# KiCad board FetsAndCrosses.kicad_pcb (continued)
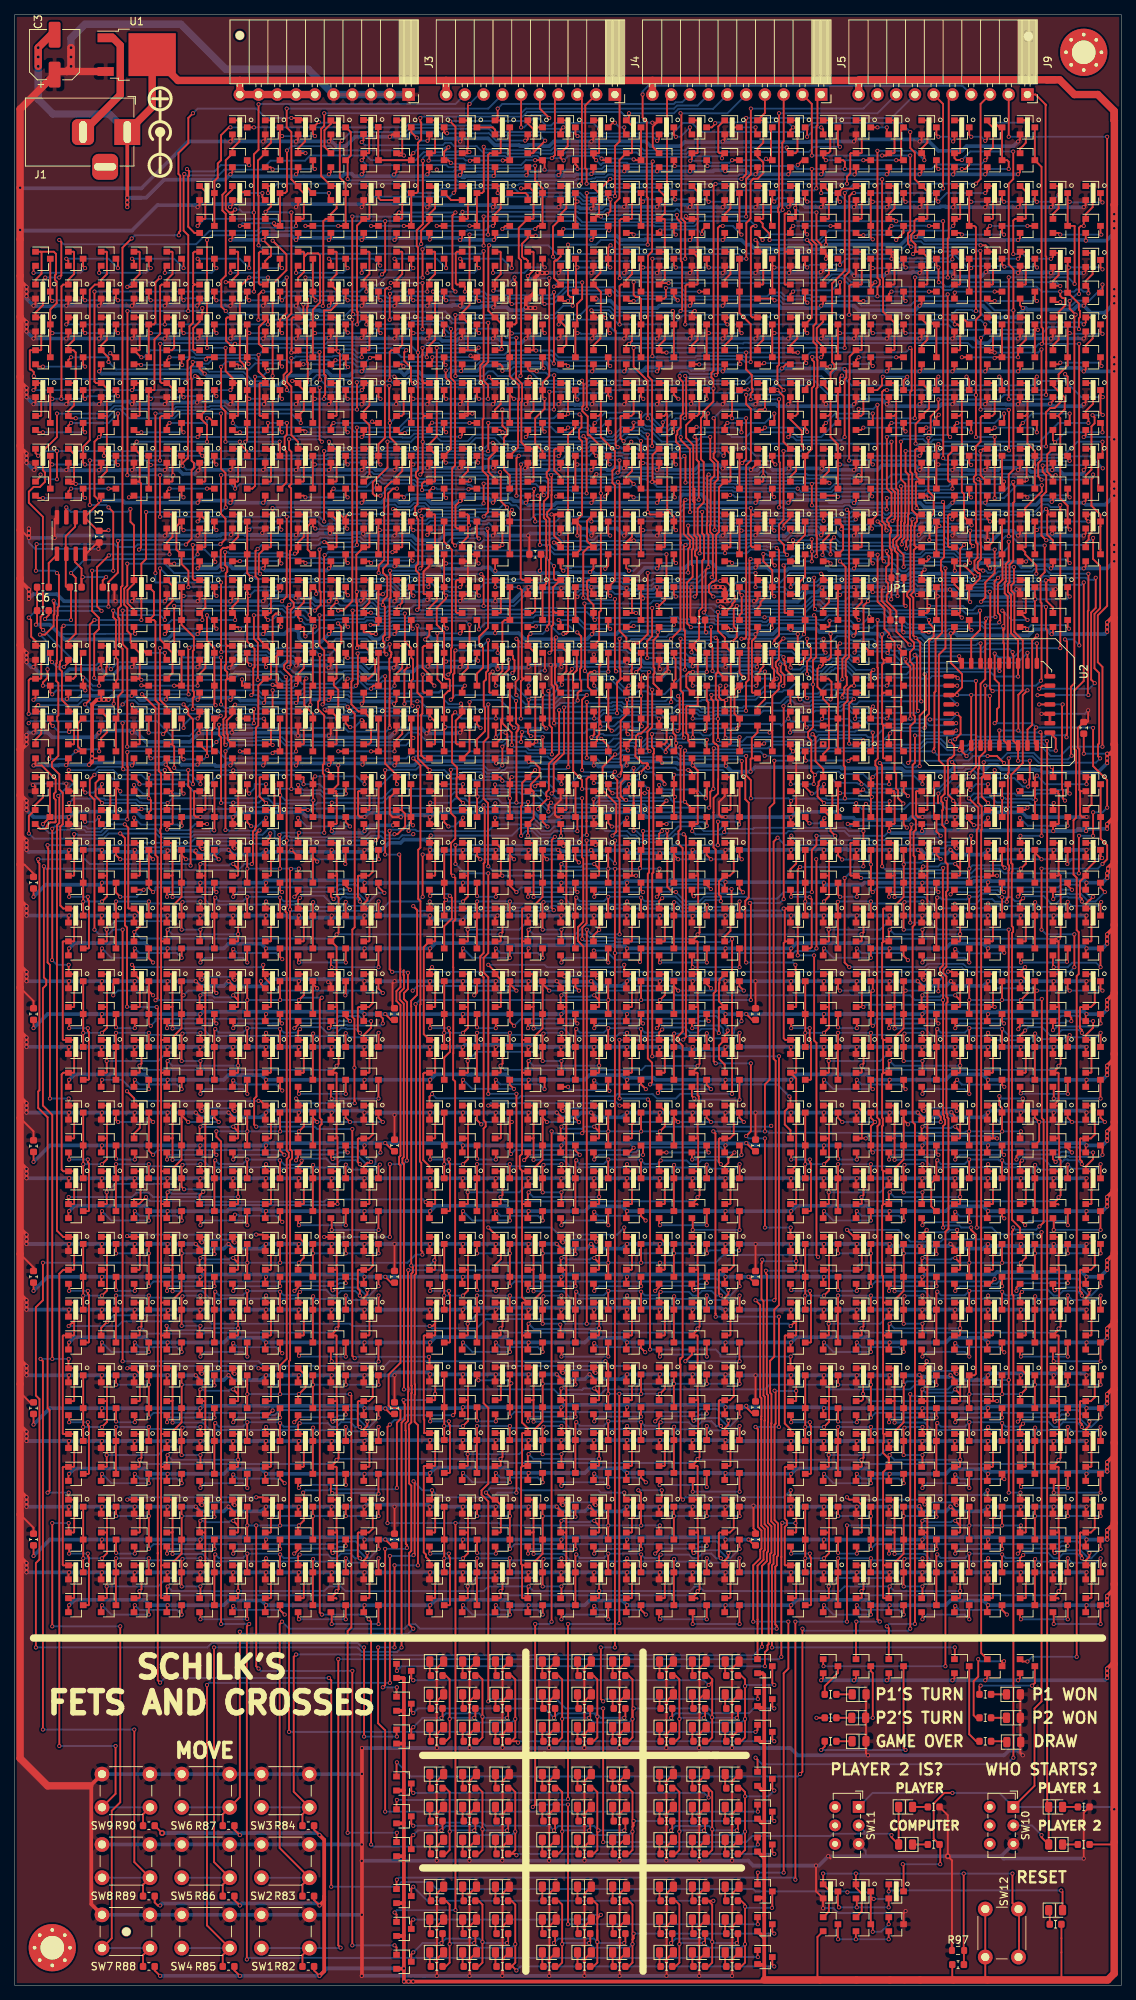
[diagram p0: board, top side]
## Routing (per net, layer and track width the routed paths; a pad name or vN(x,y) marks a point on that pad's centre or on a via; arc(x,y) is an arc through that point) (continued)
 v1(118.11,240.66) 118.38,240.94 Q612.2 ; v1(29.07,178.33) 29.07,178.33 29.48,178.74 Q844.2 ; Q570.2 47.26,205.38 v1(46.99,205.1) ; 66.04,33.65 v1(66.06,32.14) 66.03,32.1 ; v1(95.89,249.55) 96.16,249.82 Q520.2 ; v1(78.07,118.11) 78.08,118.11 78.38,117.81 Q1243.2 ; v1(73.76,196.45) 73.86,196.45 73.93,196.52 Q795.2 ; v1(135.67,188.95) 136.14,188.95 136.16,188.93 Q715.2 ; v1(64.82,227.1) 65.04,227.32 65.04,228.28 ; v1(122.55,213.99) 122.83,214.26 Q748.2 ; v1(47.37,153.67) 47.26,153.56 Q970.2 ; 57.17,3.2 57.17,12.42 D55.2 ; 57.15,18.41 57.15,18.75 D30.2 ; 57.15,18.41 57.15,22.22 ; 57.15,18.41 v1(57.15,16.86) ; v1(113.7,231.36) 113.94,231.6 Q629.2 ; Q1002.2 91.71,144.62 v1(91.82,144.73) ; 57.15,33.65 57.15,32.11 v1(57.16,32.1) ; 57.15,33.65 57.15,33.99 D3.2 ; 57.15,33.65 57.15,38.1 ; Q810.2 87.27,214.26 v1(87,213.99) ; Q666.2 91.71,240.94 v1(91.44,240.66) ; C15.1 v1(51.44,117.79) ; Q753.2 113.94,214.26 v1(113.67,213.99) ; v1(29.21,205.1) 29.48,205.38 Q440.2 ; 72.39,37.46 72.39,33.65 ; 72.39,33.65 v1(72.38,32.1) ; 72.39,33.65 72.39,33.99 D12.2 ; v1(13.65,187.32) 13.49,187.49 R107.2 ; v1(11.43,227.33) 11.7,227.6 11.7,228.28 ; v1(64.77,222.88) 65.04,223.15 Q553.2 ; 66.06,7.98 D62.2 ; 66.06,7.98 66.06,3.53 ; C11.1 2.54,97.15 0.73,98.97 ; C30.1 v1(100.33,135.89) ; v1(11.43,169.54) 11.7,169.81 Q871.2 ; v1(140.52,196.49) 140.6,196.58 Q770.2 ; v1(29.38,169.55) 29.48,169.65 Q850.2 ; v1(109.22,196.26) 109.23,196.26 109.49,196.52 Q739.2 ; Q865.2 11.7,178.49 v1(11.54,178.33) ; 57.15,22.22 57.15,27.64 D28.2 ; 57.15,22.22 57.15,23.19 D29.2 ; D74.2 88.27,7.95 ; v1(6.98,227.33) 7.25,227.6 7.25,228.28 ; U2.31 140.19,171.94 140.33,172.08 U2.32 v1(139.06,172.08) ; 25.04,228.28 25.04,227.63 24.75,227.35 v1(24.73,227.35) ; v1(2.54,169.54) 2.81,169.81 Q874.2 ; Q641.2 100.6,240.94 v1(100.33,240.66) ; v1(60.7,144.18) 60.59,144.07 Q985.2 ; v1(60.4,222.91) 60.59,223.11 Q564.2 ; v1(145.38,172.56) 145.38,171.09 145.25,170.97 C5.1 ; 9.45,193.52 11.2,195.27 C7.1 11.43,194.52 v1(11.32,194.42) ; D72.2 81.92,3.51 81.92,3.18 ; 88.27,38.1 88.25,42.86 D19.2 ; v1(65.41,178.12) 65.41,179.04 Q1065.2 ; Q446.2 25.04,223.15 v1(24.76,222.88) ; 97.16,22.86 97.16,27.64 D52.2 ; Q441.2 16.14,223.15 v1(15.88,222.88) ; v1(15.88,169.54) 16.14,169.81 Q862.2 ; Q754.2 127.27,214.26 v1(127,213.99) ; Q933.2 61.3,192.72 61.37,192.65 61.37,188.36 61.3,188.28 Q926.2 60.59,187.63 v1(60.33,187.36) ; Q662.2 87.27,240.99 v1(86.99,240.71) ; Q616.2 122.83,240.94 v1(122.55,240.66) ; Q901.2 38.37,188.08 v1(38.05,187.76) ; D78.2 92.71,3.51 ; Q571.2 51.7,205.38 v1(51.44,205.1) ; v1(51.44,169.54) 51.7,169.81 Q835.2 ; Q883.2 51.7,178.7 v1(51.33,178.33) ; Q925.2 56.15,169.81 v1(55.77,169.44) ; Q966.2 42.81,153.56 v1(42.93,153.67) ; Q548.2 69.48,214.26 v1(69.22,213.99) ; 29.5,161.38 Q377.2 30.2,161.61 30.27,161.53 30.27,157.24 30.2,157.16 29.5,157.16 29.5,158.02 v1(29.59,158.11) ; v1(64.77,240.66) 65.04,240.94 Q494.2 ; C9.1 v1(100.33,118.11) ; Q959.2 38.37,144.67 v1(38.48,144.78) ; v1(122.45,196.32) 122.83,196.7 Q727.2 ; Q10.2 20.59,91.18 v1(20.78,91.37) ; D37.2 72.38,27.62 72.39,22.22 ; v1(24.76,196.21) 25.04,196.48 Q916.2 ; v1(15.88,205.1) 16.14,205.38 Q453.2 ; Q373.2 100.62,178.54 v1(100.51,178.43) ; 88.27,22.22 88.25,27.62 D46.2 ; 88.27,22.22 88.27,18.41 ; v1(7.37,144.78) 7.27,144.69 Q1110.2 ; v1(38.1,240.66) 38.37,240.94 Q532.2 ; Q971.2 20.59,153.46 v1(20.7,153.57) ; 61.59,22.86 61.59,23.19 D32.2 ; 61.59,22.86 61.58,27.62 D31.2 ; 61.59,22.86 v1(61.58,16.86) ; 66.06,3.53 D63.2 ; v1(42.55,227.33) 42.81,227.6 42.81,228.28 ; Q811.2 100.6,214.26 v1(100.33,213.99) ; v1(34.04,153.67) 33.92,153.56 Q952.2 ; Q379.2 46.58,161.61 46.5,161.53 46.5,158.4 46.79,158.11 v1(47.37,158.11) ; Q1380.2 105.1,197.17 105.1,197.17 v1(105.1,196.78) ; v1(20.32,222.88) 20.59,223.15 Q442.2 ; v1(140.23,214.07) 140.6,214.44 Q755.2 ; v1(51.44,227.31) 51.7,227.57 51.7,228.28 ; C5.1 144.63,170.81 ; v1(29.59,144.78) 29.48,144.67 Q954.2 ; v1(52.28,158.11) 51.18,158.11 50.8,158.49 50.8,160.75 Q1.2 ; v1(104.78,213.99) 105.05,214.26 Q817.2 ; v1(122.55,249.55) 122.83,249.82 Q423.2 ; Q905.2 29.48,196.51 v1(29.28,196.31) ; v1(131.44,213.99) 131.72,214.26 Q760.2 ; v1(82.55,213.99) 82.82,214.26 Q804.2 ; v1(77.16,16.86) 77.15,16.87 77.15,21.59 ; Q718.2 140.6,188.93 140.62,188.95 v1(140.97,188.95) ; v1(42.52,222.98) 42.61,222.98 42.81,223.19 Q584.2 ; v1(95.89,240.66) 96.16,240.94 Q667.2 ; D51.2 92.71,18.75 ; 81.94,5.74 81.92,3.18 ; 81.94,5.74 81.94,5.36 ; v1(82.93,179.04) 82.84,179.13 Q1061.2 ; v1(122.18,188.15) 122.31,188.28 Q723.2 ; v1(6.98,213.99) 7.25,214.26 Q472.2 ; Q622.2 109.49,232.08 109.3,231.89 v1(109.17,231.89) ; v1(78.11,205.1) 78.38,205.38 Q802.2 ; v1(51.44,135.89) 51.16,135.62 51.16,132.51 C12.1 ; Q847.2 38.37,169.16 v1(38.34,169.13) ; v1(135.89,205.1) 136.16,205.38 Q719.2 136.16,206.06 136.16,206.02 135.89,205.75 ; v1(38.1,227.33) 38.37,227.6 38.37,228.28 ; Q120.2 122.83,100.03 122.81,100.05 v1(122.52,100.05) ; v1(6.98,205.1) 7.25,205.38 Q448.2 ; Q1106.2 11.72,153.57 v1(11.81,153.67) ; 72.39,22.22 72.39,23.19 D38.2 ; Q778.2 100.6,206.01 v1(99.7,205.1) ; v1(91.44,231.77) 91.71,232.04 Q696.2 ; 0.73,135.03 2.54,133.21 C10.1 ; 92.71,7.62 v1(92.71,1.27) ; 92.71,7.62 92.71,7.95 D77.2 ; 92.71,7.62 92.71,12.4 D76.2 ; v1(78.2,214.01) 78.38,214.19 Q815.2 ; Q454.2 20.59,205.38 v1(20.32,205.1) ; v1(74.04,189.1) 73.93,188.99 Q791.2 ; D33.2 61.59,18.75 ; v1(118.11,222.88) 118.38,223.15 Q832.2 ; Q427.2 136.16,249.82 v1(135.89,249.55) ; Q782.2 87,188.55 v1(87,189.23) ; 57.15,38.1 57.15,38.43 D2.2 ; v1(144.78,205.1) 145.05,205.38 Q765.2 ; v1(16.26,144.78) 16.14,144.67 Q944.2 ; v1(144.78,240.66) 145.05,240.94 Q654.2 ; v1(126.86,118.15) 127.27,117.73 Q1285.2 ; C24.1 118.59,186.17 117.42,187.35 117.42,188.89 v1(117.69,189.16) ; 77.15,21.59 77.15,23.19 D41.2 ; 77.15,21.59 77.15,27.64 D40.2 ; Q856.2 16.14,178.7 v1(15.88,178.44) ; Q828.2 113.94,223.15 v1(113.67,222.88) ; D35.2 66.04,23.19 ; Q937.2 65.04,196.48 v1(64.77,196.21) ; v1(91.59,214.05) 91.71,214.17 Q816.2 ; Q691.2 82.82,232.04 v1(82.55,231.77) ; C14.1 v1(51.44,82.55) ; D34.2 66.06,27.66 66.06,16.9 v1(66.03,16.86) ; v1(55.92,178.49) 56.15,178.72 Q932.2 ; v1(24.84,205.03) 25.04,205.23 Q458.2 ; C18.1 100.33,61.55 100.05,61.83 v1(100.05,64.92) ; v1(140.33,240.66) 140.6,240.94 Q651.2 ; Q560.2 56.15,223.15 v1(55.88,222.88) ; v1(122.34,153.67) 122.83,153.18 Q1058.2 ; Q1117.2 78.38,135.59 v1(78.07,135.89) ; v1(60.33,249.55) 60.59,249.82 Q536.2 ; 0.73,63.73 2.54,61.91 C20.1 ; v1(108.52,16.19) 108.52,12.72 Q1391.2 109.49,11.32 109.47,11.3 v1(109.47,10.41) ; v1(42.55,205.1) 42.81,205.38 Q566.2 ; v1(51.44,222.88) 51.7,223.15 Q559.2 ; v1(87.38,178.14) 87.28,178.24 Q1063.2 87.38,179.29 87.38,179.04 ; v1(11.81,144.78) 11.7,144.67 Q943.2 ; v1(82.5,205.34) 82.75,205.34 82.82,205.41 Q787.2 ; D56.2 57.15,7.95 ; v1(73.74,205.22) 73.93,205.41 Q799.2 ; Q547.2 65.04,214.26 v1(64.77,213.99) ; Q706.2 78.38,240.75 v1(78.09,240.47) ; Q900.2 42.81,196.69 v1(42.66,196.54) ; v1(109.22,222.88) 109.49,223.15 Q827.2 ; v1(104.87,231.77) 105.05,231.95 Q618.2 ; Q767.2 136.16,196.48 v1(135.89,196.21) ; C16.1 v1(51.44,100.33) ; v1(96.2,187.32) 96.69,187.32 96.76,187.4 ; Q697.2 96.16,232.04 v1(95.89,231.77) ; Q674.2 29.48,249.82 v1(29.21,249.55) ; 29.48,228.28 29.48,227.6 v1(29.21,227.33) ; D65.2 72.39,7.95 ; v1(87,231.77) 87.27,232.04 Q692.2 ; v1(127,196.21) 127.27,196.48 Q730.2 ; v1(78.42,180.11) 78.39,180.08 Q1059.2 78.39,179.36 78.44,179.31 ; Q1019.2 73.95,160.44 73.17,159.66 73.17,158.4 73.46,158.11 v1(74.04,158.11) ; Q964.2 47.26,144.67 v1(47.37,144.78) ; v1(91.82,178.51) 91.73,178.61 Q337.2 ; Q246.2 122.83,82.31 v1(122.52,82.62) ; Q590.2 42.81,214.26 v1(42.55,213.99) ; v1(38.1,196.31) 38.16,196.31 38.37,196.52 Q897.2 ; Q953.2 25.04,144.67 v1(25.15,144.78) ; Q372.2 122.83,64.53 v1(122.52,64.84) ; 47.26,228.28 47.26,227.6 v1(46.99,227.33) ; v1(38.48,64.77) 38.37,64.66 Q279.2 ; Q699.2 73.93,232.04 v1(73.66,231.77) ; 61.59,3.18 61.59,12.4 D58.2 ; v1(37.47,153.67) 38.37,152.76 Q965.2 ; Q476.2 11.7,214.26 v1(11.43,213.99) ; Q558.2 65.04,205.41 65.02,205.39 v1(64.77,205.39) ; Q516.2 113.94,249.82 v1(113.67,249.55) ; v1(24.9,169.47) 25.04,169.6 Q859.2 ; v1(78.05,153.64) 78.11,153.64 78.38,153.37 Q991.2 ; Q833.2 122.83,223.15 v1(122.55,222.88) ; Q675.2 100.6,223.15 v1(100.33,222.88) ; v1(87.24,171.42) 87.27,171.39 Q1384.2 ; Q611.2 113.94,240.94 v1(113.67,240.66) ; D14.2 77.15,38.43 ; 88.27,18.41 v1(88.25,16.86) ; 88.27,18.41 88.27,18.75 D48.2 ; D36.2 66.04,18.75 ; v1(29.17,240.68) 29.19,240.68 29.48,240.97 Q540.2 ; v1(47.19,196.46) 47.26,196.53 Q889.2 ; v1(82.87,189.1) 82.82,189.05 Q779.2 ; Q920.2 25.04,187.59 v1(24.76,187.32) ; Q583.2 38.37,223.15 v1(38.1,222.88) ; v1(42.55,169.13) 42.81,169.4 Q838.2 ; Q922.2 56.15,192.07 55.94,191.86 55.89,191.86 55.37,191.35 55.37,188.36 55.45,188.28 Q931.2 56.15,187.63 56.04,187.52 v1(55.88,187.52) ; D42.2 77.15,18.75 ; v1(131.44,240.66) 131.72,240.94 Q636.2 ; 56.15,228.28 56.15,227.6 v1(55.88,227.33) ; Q912.2 33.92,187.62 v1(33.65,187.35) ; C22.1 69.7,196.05 v1(69.53,196.21) ; 81.92,33.65 v1(81.9,32.1) ; 81.92,33.65 81.92,33.99 D18.2 ; v1(82.55,240.71) 82.82,240.98 Q661.2 ; v1(2.54,222.88) 2.81,223.15 Q465.2 ; v1(95.89,213.99) 96.16,214.26 Q805.2 ; v1(104.84,205.3) 104.93,205.3 105.05,205.41 Q821.2 ; v1(2.54,227.33) 2.81,227.6 2.81,228.28 ; 0.73,117.38 2.54,115.57 C13.1 ; v1(144.78,213.99) 145.05,214.26 Q761.2 ; Q671.2 25.04,240.94 v1(24.76,240.66) ; v1(118.11,213.99) 118.38,214.26 Q759.2 ; v1(46.86,187.42) 47.05,187.42 47.26,187.63 Q893.2 ; Q452.2 11.7,205.38 v1(11.43,205.1) ; v1(28.96,153.67) 29.48,153.15 Q949.2 ; Q886.2 42.81,178.62 v1(42.51,178.32) ; 113.93,188.02 113.94,188.02 Q738.2 113.94,188.96 v1(113.67,189.23) ; Q646.2 109.49,240.94 v1(109.22,240.66) ; D17.2 81.92,38.43 ; Q707.2 73.93,223.15 v1(73.66,222.88) ; v1(104.77,240.7) 105.05,240.97 Q642.2 ; Q578.2 56.15,214.26 v1(55.88,213.99) ; v1(78.11,231.77) 78.38,232.04 Q702.2 ; v1(91.44,222.88) 91.71,223.15 Q711.2 ; v1(126.65,188.91) 127.27,188.29 Q726.2 ; D24.2 92.71,33.99 ; v1(46.97,222.98) 47.05,222.98 47.26,223.19 Q588.2 ; C27.1 v1(100.33,100.33) ; Q841.2 38.37,178.74 38.26,178.63 v1(38.12,178.63) ; Q975.2 96.17,160.94 95.4,160.16 95.4,158.4 95.69,158.11 v1(96.27,158.11) ; v1(135.89,213.99) 136.16,214.26 Q749.2 ; C28.1 v1(100.33,82.55) ; Q460.2 20.59,214.26 v1(20.32,213.99) ; D44.2 81.92,23.19 ; v1(55.88,240.66) 56.15,240.94 Q544.2 ; Q904.2 42.81,187.59 v1(42.55,187.32) ; 0.73,236.31 0.73,236.95 ; v1(20.32,187.32) 20.59,187.59 Q917.2 ; v1(60.33,213.99) 60.59,214.26 Q582.2 ; Q635.2 127.27,240.82 v1(127.1,240.65) ; 16.14,228.28 16.14,227.6 v1(15.88,227.33) ; v1(140.33,231.77) 140.6,232.04 Q681.2 ; v1(82.55,196.21) 82.82,196.48 Q783.2 ; Q594.2 47.26,214.26 v1(46.99,213.99) ; 83.19,19.68 D45.2 82.55,19.68 81.92,19.05 ; D92.2 136.19,31.45 v1(136.52,31.11) ; Q974.2 24.99,152.72 24.33,153.37 24.33,153.4 v1(24.51,153.57) ; Q464.2 25.04,214.56 v1(24.7,214.23) ; Q743.2 109.49,205.41 109.38,205.3 v1(109.28,205.3) ; D26.2 97.16,38.43 ; 110.49,17.14 v1(110.17,17.46)
  Top w0.5: v1(1.59,55.88) v1(1.59,57.15) 0.86,57.88 0.73,57.88 ; v1(1.59,64.77) v1(1.59,66.04) 0.86,66.77 0.73,66.77 ; v1(1.59,73.66) v1(1.59,74.93) 0.86,75.66 0.73,75.66 ; v1(1.59,82.55) v1(1.59,83.82) 0.86,84.55 0.73,84.55 ; v1(1.59,91.44) v1(1.59,92.71) 0.86,93.44 0.73,93.44 ; v1(1.59,100.33) v1(1.59,101.6) 0.86,102.33 0.73,102.33 ; v1(1.59,109.22) v1(1.59,110.49) 0.86,111.22 0.73,111.22 ; v1(1.59,118.11) v1(1.59,119.38) 0.86,120.11 0.73,120.11 ; v1(1.59,127) v1(1.59,128.27) 0.86,129 0.73,129 ; v1(1.59,135.89) v1(1.59,137.16) 0.86,137.89 0.73,137.89 ; v1(1.59,144.78) v1(1.59,146.05) 0.86,146.78 0.73,146.78 ; v1(1.59,153.67) v1(1.59,154.94) 0.86,155.67 0.73,155.67 ; v1(95.89,189.23) 96.16,188.96 Q771.2 96.2,188.23 96.2,187.64 ; v1(95.89,189.23) v1(95.25,189.23) v1(94.62,189.23) ; v1(95.89,189.23) 94.95,189.23 94.85,189.34 ; 0.73,231.37 0.73,230.73 v1(1.59,229.87) v1(1.59,228.6) ; v1(1.91,196.53) 1.91,196.85 ; 1.91,196.85 v1(1.91,197.17) ; 1.91,196.85 v1(1.91,195.9) ; 0.73,225.83 0.86,225.83 v1(1.59,225.11) v1(1.59,224.47) v1(1.59,223.84) ; v1(95.25,187.32) 95.89,187.32 96.2,187.64 ; v1(47.03,32.1) 47.03,1.31 v1(46.99,1.27) ; 96.2,187.64 v1(96.2,187.32) 96.69,187.32 v1(96.82,187.46) ; 0.73,167.23 0.86,167.23 v1(1.59,167.96) v1(1.59,169.23) v1(1.59,168.59) ; v1(1.59,179.07) v1(1.59,180.34) 0.73,181.2 0.73,181.38 ; SW9.1 10.36,27.12 10.36,10.98 SW7.1 ; 0.73,161.06 0.86,161.06 v1(1.59,160.34) v1(1.59,159.07) ; v1(1.91,187.64) v1(1.91,188.91) ; v1(1.91,188.91) 0.73,190.09 0.73,190.41 ; v1(1.91,188.91) v1(1.91,188.28) ; v1(70.48,227.01) 69.3,227.01 v1(69.22,227.1) 69.22,228.01 69.48,228.28 69.54,228.28 70.44,229.19 70.44,231.09 70.8,231.46 v1(70.8,231.77) v1(72.07,231.77) v1(71.44,231.77) ; 0.73,217.71 0.73,217.08 v1(1.59,216.22) v1(1.59,214.95) ; 0.73,208.37 0.73,208.19 v1(1.59,207.33) v1(1.59,206.06)
  Top w1: 7.04,259.02 5.82,259.02 C3.1 0.73,253.93 v1(0.73,243.3) 0.73,30.71 4.45,26.99 10.16,26.99 ; 7.04,259.02 7.62,259.6 v2(7.62,262.25) v2(7.62,260.99) ; 7.04,259.02 U1.3
  Bottom w0.25: v1(51.44,82.55) 51.44,82.94 51.45,82.95 51.52,82.95 ; v1(65.15,91.44) 65.04,91.55 65.04,91.71 ; 37.51,153.4 37.51,153.63 v1(37.47,153.67) ; v1(140.23,214.07) 140.26,214.07 140.61,213.72 ; 87.27,91.71 87.27,91.55 v1(87.38,91.44) ; v1(145.38,172.56) 144.91,172.08 v1(139.06,172.08) ; v1(2.44,162.44) 2.64,162.63 v1(6.98,162.63) ; v1(78.48,91.44) 78.38,91.54 78.38,91.71 ; v1(42.93,118.11) 42.65,118.38 42.59,118.38 ; 38.46,144.51 38.46,144.76 v1(38.48,144.78) ; 42.91,153.4 42.91,153.65 v1(42.93,153.67) 42.86,153.67 ; 105.14,213.72 105.05,213.72 v1(104.78,213.99) ; v1(46.99,240.66) 46.99,241.05 46.97,241.07 46.9,241.07 ; 41.87,136.16 42.06,136.16 v1(42.46,135.76) ; v1(69.59,127) 69.58,127.01 69.58,127.27 ; 109.22,188.91 109.22,189.08 v1(109.31,189.17) ; v1(91.82,135.89) 91.55,136.16 91.48,136.16 ; v1(91.82,127) 91.5,126.68 91.44,126.68 ; SW11.3 115.25,18.18 115.25,17.46 ; v1(65.41,178.12) 65.18,178.34 65.18,178.67 ; 65.68,127.27 65.42,127.27 v1(65.15,127) ; 73.71,91.71 73.71,91.71 73.77,91.71 v1(74.04,91.44) ; v1(140.72,127) 140.71,127 140.34,127 ; 33.6,135.18 33.34,135.44 v1(33.34,135.89) ; v1(78.42,180.11) 78.42,179.64 79.02,179.04 ; 96.76,187.4 96.84,187.32 97.16,187.32 ; 69.22,205.1 69.13,205.19 v1(69.13,205.34) ; v1(51.44,117.79) 51.44,118.11 ; 33.41,196.29 33.41,196.45 v1(33.53,196.57) ; 140.61,118.38 140.61,118.22 v1(140.72,118.11) ; v1(91.82,153.67) 91.82,153.5 91.71,153.4 ; 38.06,118.38 38.21,118.38 v1(38.48,118.11) ; v1(136.27,118.11) 136.16,118.22 136.16,118.38 ; 136.89,82.82 136.55,82.82 v1(136.27,82.55) ; 141.88,82.82 140.99,82.82 v1(140.72,82.55) ; v1(91.82,91.44) 91.55,91.71 91.49,91.71 91.49,91.71 ; v1(51.44,64.77) 51.48,64.81 51.48,65.04 ; v1(42.93,144.78) 42.82,144.67 42.82,144.51 ; 73.7,178.71 73.77,178.71 v1(74.04,178.44) ; 38.14,136.16 38.21,136.16 v1(38.48,135.89) ; v1(82.93,91.44) 82.82,91.55 82.82,91.71 ; v1(38.1,240.66) 37.69,241.07 37.56,241.07 ; v1(78.11,196.21) 78.11,196.54 ; v1(1.91,195.9) 1.91,195.26 2.75,194.42 v1(11.32,194.42) ; v1(73.03,170.81) 78.74,170.81 78.92,171 80.48,171 81.04,171.57 81.92,171.57 82.25,171.9 86.75,171.9 v1(87.24,171.42) ; 94.85,189.34 94.76,189.26 94.76,189.23 94.93,189.23 ; v1(29.17,240.68) 29.17,241.07 29.17,241.07 28.98,241.07 ; v1(87.38,135.89) 87.1,136.16 87.04,136.16 ; v1(69.59,91.44) 69.58,91.45 69.58,91.71 ; 127.26,196.47 v1(127,196.21) ; 121.92,188.91 121.92,188.42 v1(122.18,188.15) ; 87,153.29 87.3,153.29 v1(87.38,153.21) ; v1(120.65,10.03) 120.38,9.76 111.55,9.76 110.87,10.45 109.51,10.45 v1(109.47,10.41) ; v1(96.27,153.67) 95.99,153.4 ; 122.92,213.72 122.83,213.72 v1(122.55,213.99) ; v1(13.65,187.32) v1(15.88,187.32) ; v1(136.27,127) 136.21,127 ; v1(110.17,17.46) 115.25,17.46 ; 115.25,17.46 v2(126.36,17.46) 133.59,17.46 ; v1(87.38,178.14) 87.38,178.65 87.76,179.04 ; 110.13,213.72 v1(109.86,213.99)
  Bottom w0.5: v1(1.59,57.15) v1(1.59,56.51) v1(1.59,55.88) v1(7.37,55.88) 7.37,55.88 v1(11.81,55.88) 47.37,55.88 v1(47.37,55.88) v1(56.26,55.88) 56.27,55.88 v1(60.7,55.88) 95.89,55.88 ; v1(1.59,66.04) v1(1.59,65.4) v1(1.59,64.77) v1(7.37,64.77) v1(11.81,64.77) v1(20.7,64.77) v1(24.51,64.77) 25.15,64.13 28.32,64.13 v1(28.96,64.77) 29.59,64.13 33.4,64.13 v1(34.04,64.77) v1(47.37,64.77) 47.65,65.04 55.99,65.04 v1(56.26,64.77) v1(60.71,64.77) v1(69.6,64.77) v1(73.41,64.77) 74.04,64.13 77.22,64.13 v1(77.85,64.77) 78.49,64.13 82.3,64.13 v1(82.93,64.77) v1(96.27,64.77) 99.9,64.77 v1(100.05,64.92) 100.19,64.77 v1(105.16,64.77) v1(109.6,64.77) v1(118.49,64.77) 122.45,64.77 v1(122.52,64.84) 122.52,64.45 122.83,64.13 126.11,64.13 v1(126.75,64.77) 127.38,64.13 131.19,64.13 v1(131.83,64.77) v1(145.16,64.77) ; v1(1.59,74.93) v1(1.59,74.29) v1(1.59,73.66) v1(7.37,73.66) 7.37,73.66 v1(11.81,73.66) 47.37,73.66 v1(47.37,73.66) 47.5,73.78 v1(56.26,73.78) 56.27,73.78 v1(60.7,73.78) 96.26,73.78 v1(96.27,73.78) 96.39,73.66 v1(105.16,73.66) 105.16,73.66 108.34,73.66 ; v1(1.59,83.82) v1(1.59,83.18) v1(1.59,82.55) v1(7.37,82.55) v1(11.81,82.55) v1(20.7,82.55) v1(24.51,82.55) 25.15,81.91 28.32,81.91 v1(28.96,82.55) 29.59,81.91 33.4,81.91 v1(34.04,82.55) v1(47.37,82.55) 51.12,82.55 51.52,82.95 55.99,82.95 v1(56.26,82.67) v1(60.71,82.67) v1(69.6,82.67) v1(73.41,82.67) 74.04,82.04 77.22,82.04 v1(77.85,82.67) 78.49,82.04 82.3,82.04 v1(82.93,82.67) v1(96.27,82.67) 96.39,82.55 v1(100.33,82.55) v1(105.16,82.55) v1(109.6,82.55) v1(118.49,82.55) 122.45,82.55 v1(122.52,82.62) 122.8,82.34 126.54,82.34 v1(126.75,82.55) 127.38,81.91 131.19,81.91 v1(131.83,82.55) 132.1,82.82 144.89,82.82 v1(145.16,82.55) ; v1(1.59,92.71) v1(1.59,92.07) v1(1.59,91.44) v1(7.37,91.44) 7.37,91.44 v1(11.81,91.44) 47.37,91.44 v1(47.37,91.44) v1(56.26,91.44) 56.27,91.44 v1(60.7,91.44) 60.98,91.71 95.61,91.71 95.88,91.44 v1(96.27,91.44) v1(105.16,91.44) 105.16,91.44 108.34,91.44 ; v1(1.59,101.6) v1(1.59,100.96) v1(1.59,100.33) v1(7.37,100.33) v1(11.81,100.33) v1(20.7,100.33) v1(24.51,100.33) 25.15,99.69 28.32,99.69 v1(28.96,100.33) 29.59,99.69 33.4,99.69 v1(34.04,100.33) v1(47.37,100.33) v1(51.44,100.33) v1(56.26,100.33) v1(60.71,100.33) v1(69.6,100.33) v1(73.41,100.33) 74.04,99.69 77.44,99.69 v1(78.07,100.33) 78.71,99.69 82.3,99.69 v1(82.93,100.33) v1(96.27,100.33) v1(100.33,100.33) v1(105.16,100.33) v1(109.6,100.33) v1(118.49,100.33) 118.77,100.05 v1(122.52,100.05) 126.46,100.05 v1(126.75,100.33) 127.38,99.69 131.19,99.69 v1(131.83,100.33) 132.1,100.06 136.48,100.06 ; v1(1.59,110.49) v1(1.59,109.85) v1(1.59,109.22) v1(7.37,109.22) 7.37,109.22 v1(11.81,109.22) 47.37,109.22 v1(47.37,109.22) v1(56.26,109.22) 56.27,109.22 v1(60.7,109.22) 96.26,109.22 v1(96.27,109.22) v1(105.16,109.22) 105.16,109.22 108.34,109.22 ; v1(1.59,119.38) v1(1.59,118.74) v1(1.59,118.11) v1(7.37,118.11) v1(11.81,118.11) v1(20.7,118.11) v1(24.51,118.11) 25.15,117.47 26.68,117.47 27.32,118.11 v1(28.96,118.11) 29.59,117.47 33.4,117.47 v1(34.04,118.11) 34.31,118.38 47.1,118.38 v1(47.37,118.11) v1(56.26,118.11) v1(60.71,118.11) v1(69.6,118.11) v1(73.41,118.11) 74.04,117.47 76.08,117.47 76.71,118.11 v1(78.07,118.11) 78.71,117.47 82.3,117.47 v1(82.93,118.11) v1(96.27,118.11) v1(100.33,118.11) v1(105.16,118.11) v1(109.6,118.11) v1(118.49,118.11) v1(122.3,118.11) 122.94,117.47 124.97,117.47 125.65,118.15 v1(126.86,118.15) 126.86,117.76 127.14,117.47 131.19,117.47 v1(131.83,118.11) 132.1,118.38 144.89,118.38 v1(145.16,118.11) ; v1(1.59,128.27) v1(1.59,127.63) v1(1.59,127) v1(7.37,127) 7.37,127 v1(11.81,127) 47.37,127 v1(47.37,127) v1(56.26,127) 56.27,127 v1(60.7,127) 60.98,127.27 70.54,127.27 70.82,127 90.21,127 90.48,126.73 91.44,126.68 95.99,126.73 v1(96.27,127) v1(105.16,127) 105.16,127 108.34,127 ; v1(1.59,137.16) v1(1.59,136.52) v1(1.59,135.89) v1(7.37,135.89) v1(11.81,135.89) v1(20.7,135.89) v1(24.51,135.89) 25.15,135.25 28.32,135.25 v1(28.96,135.89) 29.66,135.18 33.6,135.18 34.58,136.16 47.1,136.16 v1(47.37,135.89) v1(51.44,135.89) v1(56.26,135.89) v1(60.71,135.89) v1(69.6,135.89) v1(73.41,135.89) 73.47,135.83 78.01,135.83 v1(78.07,135.89) 78.28,135.89 78.92,135.25 82.3,135.25 v1(82.93,135.89) 83.21,136.16 95.99,136.16 v1(96.27,135.89) v1(100.33,135.89) 105.73,135.89 ; v1(1.59,146.05) v1(1.59,145.41) v1(1.59,144.78) v1(7.37,144.78) 7.37,144.78 v1(11.81,144.78) 37.01,144.78 37.28,144.51 47.1,144.51 v1(47.37,144.78) v1(56.26,144.78) 56.86,144.18 v1(60.7,144.18) 61.28,144.76 96.25,144.76 v1(96.27,144.78) v1(105.16,144.78) 105.16,144.78 108.34,144.78 ; v1(1.59,154.94) v1(1.59,154.31) v1(1.59,153.67) 1.86,153.4 7.09,153.4 v1(7.37,153.67) v1(11.81,153.67) 12.09,153.4 16.47,153.4 ; v1(145.16,91.44) 145.16,91.44 v1(109.6,91.44) 108.34,91.44 ; 108.44,91.44 108.34,91.44 108.34,91.44 ; v1(145.16,73.66) 145.16,73.66 v1(109.6,73.66) 108.34,73.66 ; 108.44,73.66 108.34,73.66 108.34,73.66 ; v1(96.27,55.88) 96.26,55.88 95.89,55.88 ; v1(145.16,55.88) 145.16,55.88 v1(109.6,55.88) 108.34,55.88 ; 108.44,55.88 108.34,55.88 108.34,55.88 ; 108.34,55.88 105.16,55.88 v1(105.16,55.88) 95.89,55.88 95.89,55.88 ; v1(145.16,153.67) v1(131.83,153.67) 131.19,153.03 127.38,153.03 v1(126.75,153.67) 126.23,153.15 123.25,153.15 122.73,153.67 v1(122.34,153.67) 122.33,153.67 v1(118.49,153.67) 112.83,153.67 112.74,153.76 112.05,153.76 111.96,153.67 v1(109.6,153.67) 109.51,153.76 105.25,153.76 v1(105.16,153.67) v1(96.27,153.67) ; v1(145.16,144.78) 145.16,144.78 v1(109.6,144.78) 108.34,144.78 ; 108.44,144.78 108.34,144.78 108.34,144.78 ; v1(145.16,135.89) v1(131.83,135.89) 131.19,135.25 127.42,135.25 v1(126.78,135.89) 126.15,135.25 122.94,135.25 v1(122.3,135.89) v1(118.49,135.89) v1(109.6,135.89) 105.73,135.89 ; v1(145.16,127) 145.16,127 136.21,127 v1(109.6,127) 108.34,127 ; 108.44,127 108.34,127 108.34,127 ; 105.73,135.89 v1(105.16,135.89) ; v1(145.16,109.22) 145.16,109.22 v1(109.6,109.22) 108.34,109.22 ; 108.44,109.22 108.34,109.22 108.34,109.22 ; v1(91.44,240.66) 91.12,240.99 87.26,240.99 v1(86.99,240.71) 86.96,240.69 82.57,240.69 v1(82.55,240.71) 80.88,240.71 80.61,240.99 79.88,240.99 79.46,240.57 78.85,240.57 78.75,240.47 v1(78.09,240.47) 78.07,240.49 76.57,240.49 76.4,240.66 v1(73.66,240.66) v1(64.77,240.66) 64.5,240.94 56.15,240.94 v1(55.88,240.66) 55.47,241.07 25.17,241.07 v1(24.76,240.66) 24.49,240.94 19.32,240.94 15.88,237.49 0.82,237.49 v1(0.73,237.58) ; v1(95.25,189.23) 94.76,189.23 ; v1(1.91,197.17) v1(1.91,196.53) v1(1.91,195.9) v1(5.4,195.9) 5.71,196.21 v1(20.32,196.21) 27.33,196.21 27.34,196.23 27.84,196.23 28.05,196.44 31.07,196.44 31.22,196.29 40.96,196.29 41.17,196.49 42.67,196.49 42.75,196.42 45.47,196.42 45.62,196.57 47.05,196.57 47.4,196.21 v1(51.44,196.21) 53.84,196.21 54.47,195.58 57.47,195.58 58.32,196.43 62.05,196.43 62.15,196.53 63.56,196.53 63.88,196.21 v1(64.77,196.21) v1(69.53,196.21) 69.81,196.49 73.72,196.49 v1(73.76,196.45) 74.85,196.45 75.56,197.17 77.48,197.17 78.11,196.54 78.73,197.17 81.6,197.17 v1(82.55,196.21) 82.82,196.49 83.96,196.49 84.23,196.21 94.18,196.21 94.23,196.16 95.44,196.16 95.5,196.21 v1(95.89,196.21) 96.27,196.21 96.33,196.16 98.77,196.16 98.85,196.24 102.45,196.24 102.53,196.16 104.29,196.16 104.91,196.78 v1(105.1,196.78) 105.21,196.88 108.54,196.88 108.93,196.49 110.33,196.49 110.53,196.69 111.3,196.69 111.81,196.18 122.31,196.18 v1(122.45,196.32) 122.48,196.32 122.95,196.79 126.94,196.79 127.26,196.47 127.28,196.5 127.54,196.5 ; 93.98,189.23 94.74,189.23 ; 93.98,189.23 91.68,189.23 v1(91.66,189.21) 91.64,189.23 v1(87,189.23) 86.79,189.23 86.44,188.87 83.09,188.87 v1(82.87,189.1) 82.2,189.1 82.07,189.23 78.5,189.23 78.49,189.23 v1(78.11,189.23) 77.9,189.23 77.71,189.42 76.29,189.42 75.97,189.1 v1(74.04,189.1) 70.11,189.1 69.98,189.23 v1(69.6,189.23) 69.34,189.23 67.43,187.32 v1(65.09,187.32) 64.7,187.32 64.61,187.42 63.15,187.42 63.1,187.36 v1(60.33,187.36) 56.79,187.36 56.64,187.52 v1(55.88,187.52) 55.49,187.52 55.31,187.35 53.8,187.35 53.79,187.34 51.84,187.34 51.82,187.32 v1(51.44,187.32) 51.05,187.32 50.82,187.55 49.5,187.55 48.89,188.17 47.61,188.17 v1(46.86,187.42) 46.48,187.42 46.47,187.41 44.68,187.41 44.13,187.96 43.18,187.96 v1(42.55,187.32) 40.82,187.32 40.43,187.72 38.1,187.72 v1(38.05,187.76) 37.76,188.05 34.35,188.05 v1(33.65,187.35) 33.63,187.32 v1(29.21,187.32) v1(24.76,187.32) 22.03,187.32 21.75,187.6 20.59,187.6 v1(20.32,187.32) v1(15.88,187.32) 6.67,187.32 5.71,188.28 2.54,188.28 v1(1.91,187.64) v1(1.91,188.28) ; 93.98,189.23 v1(95.89,189.23) 94.93,189.23 ; 136.48,100.06 140.61,100.06 ; 136.48,100.06 136.48,100.12 v1(136.27,100.33) ; 140.61,100.06 144.89,100.06 v1(145.16,100.33) ; 140.61,100.06 140.61,100.22 v1(140.72,100.33) ; v1(60.33,169.54) 59.94,169.54 59.9,169.51 59.9,169.44 v1(55.77,169.44) 55.09,170.12 52.01,170.12 v1(51.44,169.54) 50.74,168.85 42.82,168.85 v1(42.55,169.13) v1(38.34,169.13) 37.92,169.55 32.43,169.55 32.28,169.4 29.53,169.4 v1(29.38,169.55) 28.35,169.55 28.23,169.43 24.94,169.43 v1(24.9,169.47) 23.71,168.27 17.78,168.27 16.51,169.54 v1(15.88,169.54) 15.6,169.82 11.7,169.82 v1(11.43,169.54) 10.8,168.91 5.08,168.91 4.45,169.54 v1(2.54,169.54) 1.91,169.54 v1(1.59,169.23) ; v1(47.01,9.54) 46.99,9.52 SW1.1 SW7.1 ; v1(0.73,243.3) 0.82,243.2 17.14,243.2 23.5,249.55 v1(29.21,249.55) v1(38.1,249.55) 42.93,249.55 43.56,248.92 44.83,248.92 46.1,250.19 53.09,250.19 53.68,250.79 57.34,250.79 58.19,249.94 59.87,249.94 59.91,249.97 ; v1(71.44,231.77) v1(70.8,231.77) v1(73.66,231.77) 109.05,231.77 v1(109.17,231.89) 109.41,232.13 112.93,232.13 v1(113.7,231.36) 117.69,231.36 v1(118.11,231.77) 121.48,231.77 121.57,231.87 122.27,231.87 122.36,231.77 125.93,231.77 126.02,231.87 126.89,231.87 127.11,231.65 v1(127.11,231.26) 130.89,231.26 v1(131.51,231.89) 135.78,231.89 v1(135.89,231.77) 139.3,231.77 139.35,231.83 140.28,231.83 v1(140.33,231.77) 140.72,231.77 140.74,231.76 144.37,231.76 144.39,231.77 v1(144.78,231.77) ; v1(95.25,187.32) v1(96.2,187.32) 97.16,187.32 96.96,187.32 v1(96.82,187.46) 96.87,187.42 100.03,187.42 v1(100.11,187.33) 100.18,187.27 106.04,187.27 107.31,188.54 108.68,188.54 v1(109.31,189.17) 109.37,189.23 v1(113.67,189.23) 113.72,189.29 117.57,189.29 v1(117.69,189.16) 118.6,189.16 119.01,188.75 121.76,188.75 121.92,188.91 121.99,188.84 126.19,188.84 126.26,188.91 v1(126.65,188.91) 127.12,188.91 127.74,188.29 128.86,188.29 128.99,188.16 131.37,188.16 131.64,187.89 134.61,187.89 v1(135.67,188.95) v1(140.97,188.95) ; v1(1.59,216.22) v1(1.59,215.58) v1(1.59,214.95) v1(2.54,213.99) 12.9,213.99 13.26,214.35 15.52,214.35 v1(15.88,213.99) 21.41,213.99 21.61,214.2 24.15,214.2 24.3,214.35 28.65,214.35 29.01,213.99 v1(46.99,213.99) v1(51.66,213.99) v1(64.77,213.99) 75.76,213.99 75.85,213.9 76.55,213.9 76.73,214.09 77.82,214.09 77.96,213.94 100.02,213.94 100.08,213.99 103.1,213.99 103.38,213.72 113.39,213.72 v1(113.67,213.99) 114.3,214.63 117.48,214.63 v1(118.11,213.99) 118.38,213.72 125.26,213.72 125.53,213.99 134.22,213.99 134.27,213.94 140.39,213.94 140.61,213.72 144.51,213.72 v1(144.78,213.99) ; 95.89,158.11 v1(96.27,158.11) 105.13,158.11 v1(105.16,158.09) ; 95.89,158.11 95.79,158.21 94.9,158.21 94.81,158.11 85.55,158.11 84.91,158.75 79.55,158.75 78.92,158.11 v1(78.49,158.11) v1(74.04,158.11) 73.47,157.54 71.52,157.54 70.31,158.75 56.9,158.75 v1(56.26,158.11) 55.99,158.39 52.56,158.39 v1(52.28,158.11) 51.7,158.69 47.95,158.69 v1(47.37,158.11) 41.71,158.11 41.62,158.21 39.48,158.21 38.93,158.75 30.23,158.75 v1(29.59,158.11) v1(25.15,158.11) 17.18,158.11 16.45,158.84 8.09,158.84 v1(7.37,158.11) 2.54,158.11 v1(1.59,159.07) v1(1.59,159.7) v1(1.59,160.34) ; 95.89,158.11 96.34,158.11 ; v1(136.52,31.11) 135.89,31.75 134.62,31.75 133.98,31.11 v1(115.57,31.11) 106.05,31.11 105.06,32.1 v1(97.14,32.1) 97.14,32.1 v1(57.16,32.1) v1(47.03,32.1) ; 16.47,153.4 16.47,153.46 v1(16.26,153.67) ; 16.47,153.4 20.52,153.4 v1(20.7,153.57) v1(24.51,153.57) 25.05,153.03 27.18,153.03 27.82,153.67 v1(28.96,153.67) 29.59,153.03 33.4,153.03 v1(34.04,153.67) 34.31,153.4 47.1,153.4 v1(47.37,153.67) 49.73,153.67 50.68,154.62 52.26,154.62 52.71,155.07 55.55,155.07 56.26,154.36 v1(56.26,153.67) 56.32,153.61 60.65,153.61 v1(60.71,153.67) v1(69.6,153.67) 73.6,153.67 v1(73.6,153.67) 73.8,153.67 73.96,153.5 77.92,153.5 v1(78.05,153.64) 78.08,153.61 82.87,153.61 v1(82.93,153.67) 83.37,153.23 91.55,153.23 91.71,153.4 95.99,153.4 ; v1(1.59,207.33) v1(1.59,206.69) v1(1.59,206.06) 2.54,205.1 v1(2.64,205.1) 2.91,205.38 3.66,205.38 3.99,205.05 14.32,205.05 14.37,205.1 18.01,205.1 18.07,205.05 18.76,205.05 18.82,205.1 22.21,205.1 22.75,204.56 24.34,204.56 24.88,205.1 47.2,205.1 47.51,205.42 48.56,205.42 48.87,205.1 54.49,205.1 54.75,205.36 63.58,205.36 63.73,205.51 66.27,205.51 66.67,205.1 78.29,205.1 78.43,205.24 80.1,205.24 80.26,205.08 80.82,205.08 81.2,205.46 82,205.46 82.15,205.31 86.79,205.31 v1(87,205.1) 92.08,205.1 92.71,205.74 95.44,205.74 v1(95.89,205.3) 99.5,205.3 v1(99.7,205.1) 100.53,205.1 101.07,205.65 102.13,205.65 102.67,205.1 104.26,205.1 104.45,205.3 v1(109.28,205.3) 109.47,205.1 v1(113.67,205.1) 116.84,205.1 117.48,205.74 121.92,205.74 v1(122.55,205.1) 129.14,205.1 129.19,205.05 133.18,205.05 133.51,205.38 135.62,205.38 v1(135.89,205.1) 137.38,205.1 137.67,204.82 138.36,204.82 138.51,204.96 139.56,204.96 139.7,205.1 141.43,205.1 142,204.53 144.59,204.53 144.78,204.72 v1(144.78,205.1) ; v1(42.51,178.32) 42.2,178.63 v1(38.12,178.63) 37.63,179.13 36.74,179.13 36.23,178.61 35.06,178.61 34.46,179.22 34.03,179.22 33.8,179.44 30.67,179.44 29.56,178.33 v1(29.07,178.33) 28.68,178.33 28.63,178.38 14.35,178.38 13.37,177.39 12.47,177.39 v1(11.54,178.33) 11.33,178.12 7.39,178.12 6.66,177.38 3.59,177.38 v1(2.54,178.44) 2.22,178.44 v1(1.59,179.07) v1(1.59,179.7) v1(1.59,180.34) ; v1(42.51,178.32) 42.5,178.33 ; v1(42.51,178.32) 42.9,178.32 43.06,178.47 46.82,178.47 48.12,177.16 48.26,177.16 49.42,178.33 v1(51.33,178.33) 51.35,178.3 51.38,178.3 51.45,178.38 51.93,178.38 52.5,177.8 53.98,177.8 54.66,178.49 v1(55.92,178.49) 55.97,178.44 v1(60.33,178.44) 64.28,178.44 64.51,178.67 65.18,178.67 65.5,178.34 69.51,178.34 v1(69.6,178.44) 69.87,178.71 73.7,178.71 74.05,179.06 79,179.06 79.02,179.04 ; 59.91,249.97 v1(60.33,249.55) ; 59.91,249.97 64.1,249.97 65.02,249.06 68.3,249.06 68.42,248.94 69.44,248.94 69.59,249.09 71.38,249.09 71.55,248.92 72.38,248.92 73.02,249.57 v1(78.11,249.57) 85.46,249.57 86.11,248.92 90.17,248.92 90.71,249.46 107.66,249.46 107.75,249.55 v1(113.67,249.55) 113.94,249.83 122.28,249.83 v1(122.55,249.55) 123.83,249.55 125.1,248.28 128.27,248.28 128.91,248.92 135.25,248.92 v1(135.89,249.55) ; v1(105.16,158.09) 105.88,158.81 111.26,158.81 112.05,158.02 113.58,158.02 113.88,157.72 121.07,157.72 121.46,158.11 v1(122.94,158.11) 123,158.17 127.32,158.17 v1(127.38,158.11) 130.73,158.11 131.37,158.75 136.43,158.75 137.07,158.11 v1(145.16,158.11) ; v1(105.16,158.09) 103.94,158.09 ; 91.19,240.66 103.3,240.66 103.66,241.03 104.44,241.03 v1(104.77,240.7) 105.38,241.3 105.79,241.3 ; 105.79,241.3 106.43,241.3 107.06,240.66 v1(109.22,240.66) 112.59,240.66 112.68,240.76 113.38,240.76 113.47,240.66 125.29,240.66 125.38,240.76 126.08,240.76 126.17,240.66 v1(140.33,240.66) v1(144.78,240.66) ; 105.79,241.3 105.16,241.3 ; v1(1.59,229.87) v1(1.59,229.23) v1(1.59,228.6) 1.59,228.28 v1(2.54,227.33) 2.93,227.33 3.02,227.24 5.43,227.24 5.52,227.33 v1(15.88,227.33) 24.67,227.33 25.08,227.74 25.75,227.74 26.16,227.33 v1(33.66,227.33) v1(38.1,227.33) 38.73,226.69 41.24,226.69 41.37,226.56 42.17,226.56 42.55,226.94 v1(42.55,227.33) 45.3,227.33 45.31,227.34 46.98,227.34 v1(46.99,227.33) 47.01,227.31 v1(51.44,227.31) 59.23,227.31 59.34,227.42 60.23,227.42 v1(60.33,227.33) 60.56,227.1 63.09,227.1 63.26,227.27 64.65,227.27 v1(64.82,227.1) 66.65,227.1 67.06,226.69 68.81,226.69 v1(69.22,227.1) 69.3,227.01 v1(69.85,227.01) v1(70.48,227.01) ; v1(144.78,222.88) 132.46,222.88 131.83,222.25 130.56,222.25 129.92,222.88 v1(69.22,222.88) 68.58,222.25 66.16,222.25 65.53,222.88 v1(64.77,222.88) 60.12,222.88 59.8,222.57 57.9,222.57 57.58,222.88 v1(55.88,222.88) 48.12,222.88 48.05,222.96 42.12,222.96 42.05,222.88 v1(2.54,222.88) v1(1.59,223.84) v1(1.59,225.11) ; 79.02,179.04 v1(82.93,179.04) 83.26,179.36 84.89,179.36 85.33,178.92 87.65,178.92 87.76,179.04 90.07,179.04 90.31,178.79 91.12,178.79 91.4,178.51 v1(91.82,178.51) 91.91,178.6 96.07,178.6 v1(96.27,178.4) 96.47,178.6 100.34,178.6 v1(100.51,178.43) ; 79.02,179.04 78.71,179.04 ; 133.59,17.46 SW10.3 ; 133.59,17.46 v1(110.17,17.46) 108.9,16.19 v1(108.52,16.19) 100.01,16.19 99.34,16.86 v1(97.15,16.86) v1(57.15,16.86) 47.03,16.86 v1(46.99,16.83) ; 133.59,17.46 133.91,17.14 v1(144.78,17.14) ; 55.56,1.27 55.25,1.27 ; 55.56,1.27 v1(46.99,1.27) ; 55.56,1.27 v1(57.15,1.27) v1(97.16,1.27) ; 127.54,196.5 127.15,196.5 ; 127.54,196.5 127.88,196.16 131.27,196.16 v1(131.81,195.61) 132.43,195.61 133.67,196.85 135.25,196.85 v1(135.89,196.21) 138.63,196.21 138.72,196.31 140.33,196.31 v1(140.52,196.49) 140.8,196.21 v1(144.78,196.21) ; v1(46.99,19.05) SW2.1 SW8.1 ; v1(1.59,168.59) v1(1.59,167.96) ; v1(47.02,28.6) 46.99,28.57 SW3.1 SW9.1
  Bottom w1: v2(7.62,260.99) v2(7.62,259.71) v2(7.62,262.25) 7.62,263.52 9.53,265.43 22.48,265.43 28.57,259.33 39.75,259.33 43.18,255.9 J3.1
